# KiCad board Marble_Tiny.kicad_pcb (continued)
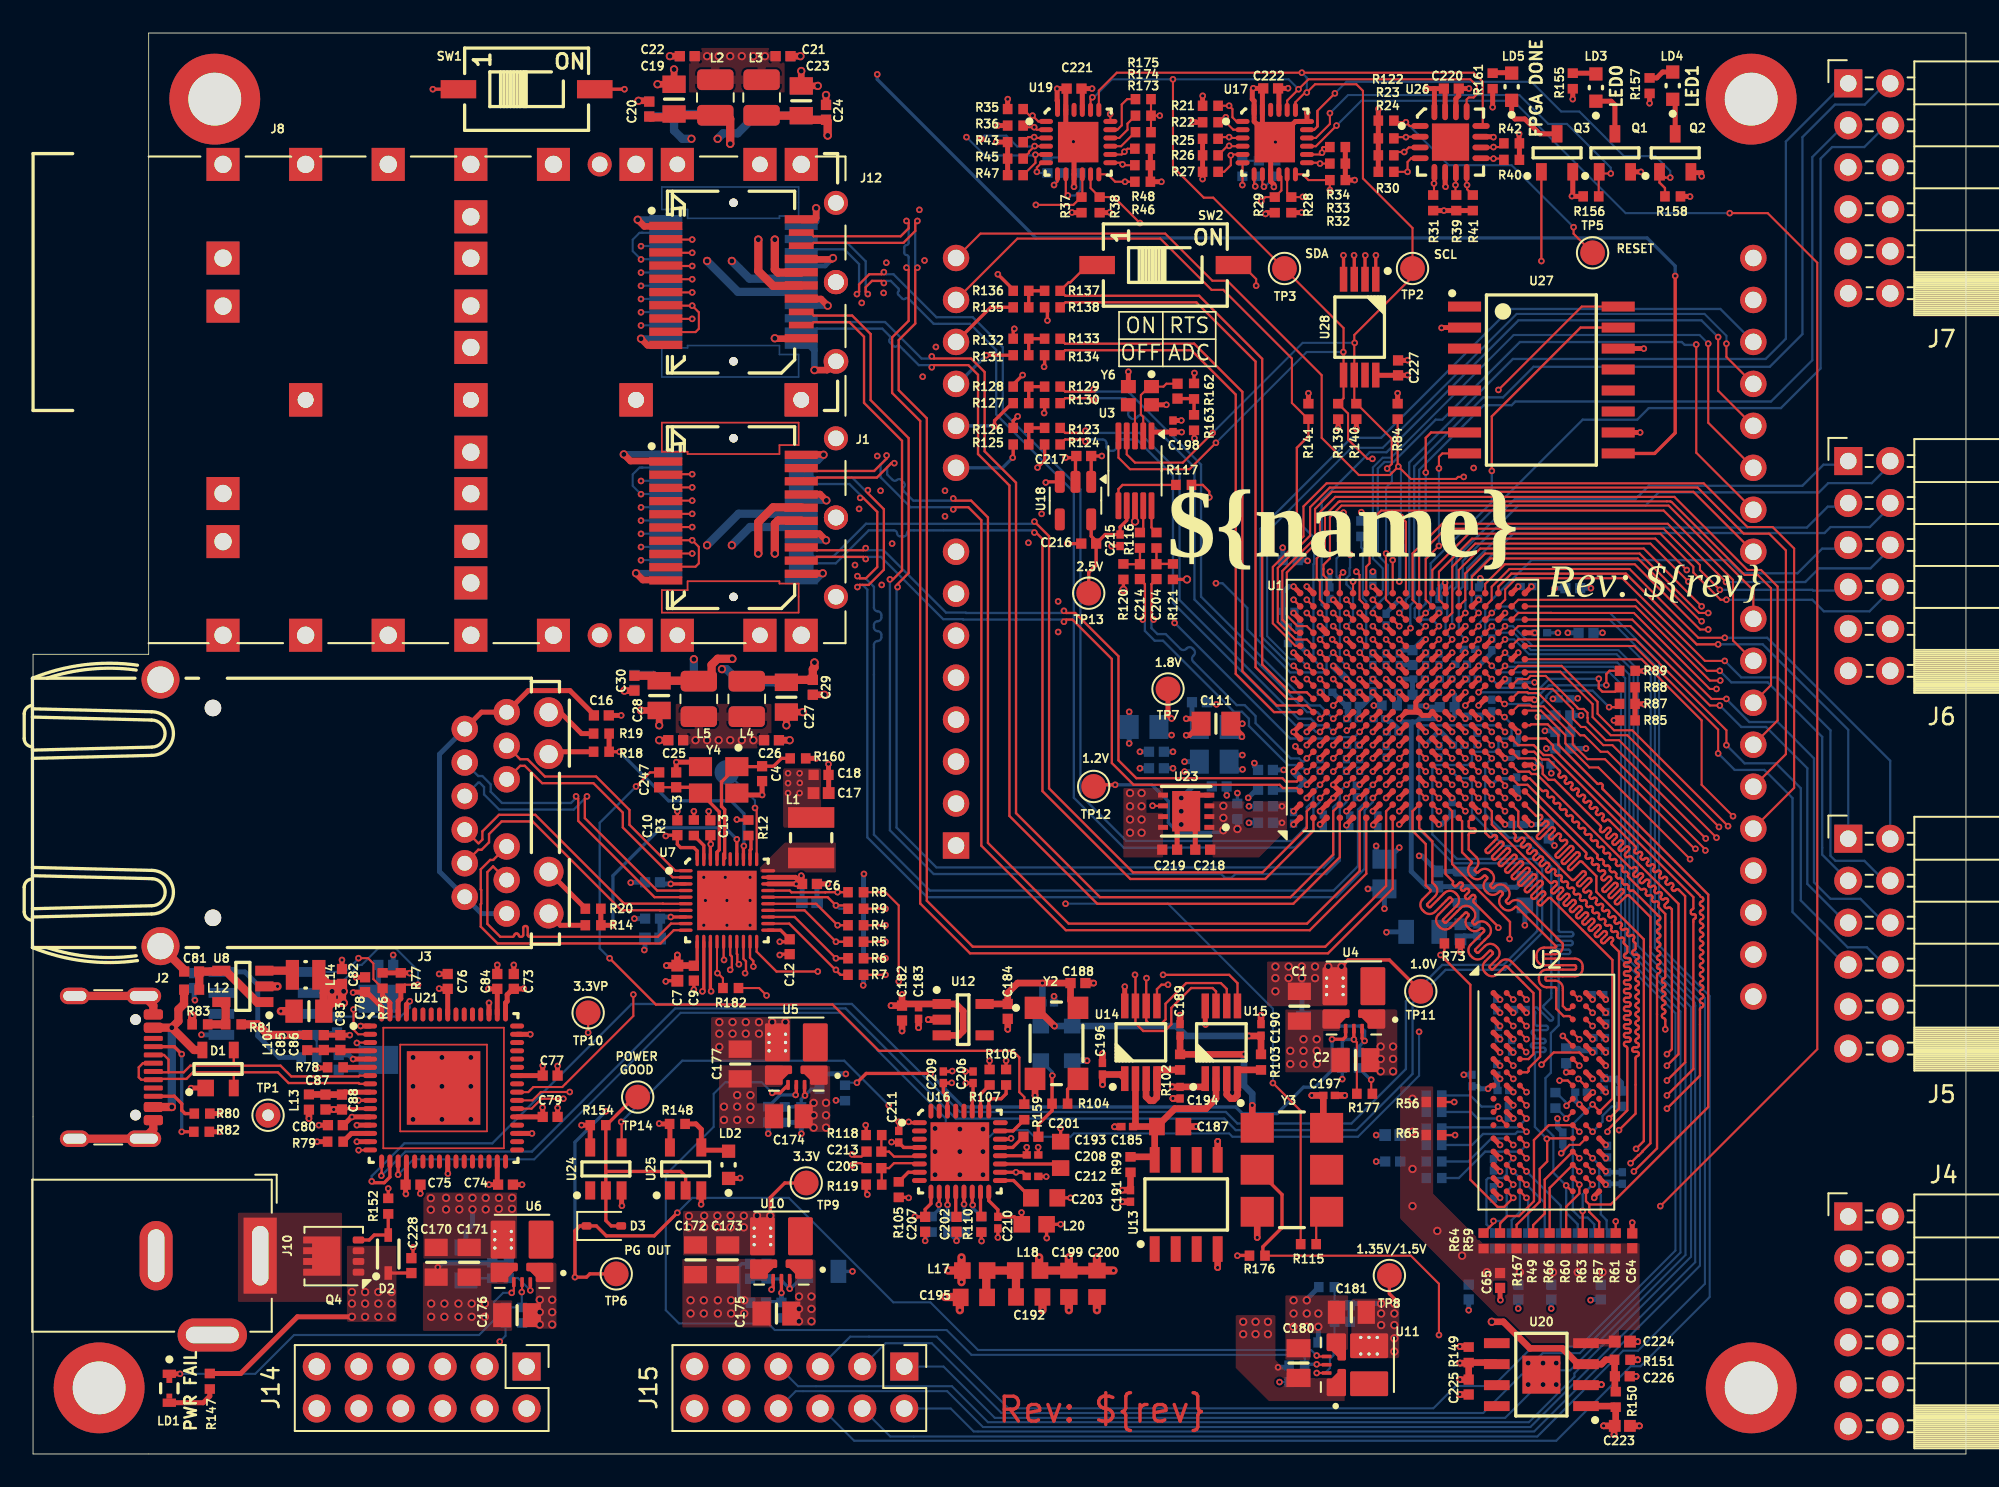
[diagram p0: board, top side]
## Library data of the parts (continued)
U14 = -: Part Number: DAC8550IDGKT; Library Ref: DAC8550; Library Path: SchLib\Analog & Interface.SchLib; Comment: =Device; Component Kind: Standard; Component Type: Standard; PackageDescription: SOP, 0.65mm, Pitch; 8 Pin, 3.0mm W X 3.0mm L X 1.10mm H Body, IPC Medium Density; Part Description: 2.7V to 5.5V, 250uA, Rail-to-Rail Output 16-Bit nanoDAC; Manufacturer: ANALOG DEVICES; Manufacturer Part Number: DAC8550IDGKT; Pin Count: 8; Case: MSOP8; Mounted: Yes; Socket: No; SMD: Yes; PressFit: No; Sense: No; ComponentHeight: 1.1mm; Footprint Path: PcbLib\ICs And Semiconductors SMD.PcbLib; Footprint Ref: SOP65P490X110-8N; CreateDate: 01/10/11 00:00:00; LatestRevisionDate: 01/10/11 00:00:00; Library Name: ICs And Semiconductors SMD; License: This work is licensed under the Creative Commons CC-BY-SA 4.0 License. To the extent that circuit schematics that use Licensed Material can be considered to be ‘Adapted Material’, then the copyright holder waives article 3.b of the license with respect to these schematics.
U15 = -: Part Number: DAC8550IDGKT; Library Ref: DAC8550; Library Path: SchLib\Analog & Interface.SchLib; Comment: =Device; Component Kind: Standard; Component Type: Standard; Device: DAC8550IDGKT; PackageDescription: SOP, 0.65mm, Pitch; 8 Pin, 3.0mm W X 3.0mm L X 1.10mm H Body, IPC Medium Density; Part Description: 2.7V to 5.5V, 250uA, Rail-to-Rail Output 16-Bit nanoDAC; Manufacturer: ANALOG DEVICES; Manufacturer Part Number: DAC8550IDGKT; Pin Count: 8; Case: MSOP8; Mounted: Yes; Socket: No; SMD: Yes; PressFit: No; Sense: No; ComponentHeight: 1.1mm; Footprint Path: PcbLib\ICs And Semiconductors SMD.PcbLib; Footprint Ref: SOP65P490X110-8N; CreateDate: 01/10/11 00:00:00; LatestRevisionDate: 01/10/11 00:00:00; Library Name: ICs And Semiconductors SMD; License: This work is licensed under the Creative Commons CC-BY-SA 4.0 License. To the extent that circuit schematics that use Licensed Material can be considered to be ‘Adapted Material’, then the copyright holder waives article 3.b of the license with respect to these schematics.
U16 = -: Library Path: SchLib\Logic.SchLib; Comment: =Device; Component Kind: Standard; Component Type: Standard; PackageDescription: QFN, (MO-220-VHHD-4) 0.50mm pitch,square; 8 pin X 8 pin, 5mm X 5mm X 1.00mm H body (w/thermal tab 3.5 X 3.5mm),  IPC Medium Density; Part Description: Four Output, Integrated VCO, Low-Jitter Clock Generator; Manufacturer: TEXAS INSTRUMENTS; Manufacturer Part Number: CDCM61004RHBT; Pin Count: 33; Case: QFN32; Mounted: Yes; Socket: No; SMD: Yes; PressFit: No; Sense: No; ComponentHeight: 1mm; Footprint Path: PcbLib\ICs And Semiconductors SMD.PcbLib; Footprint Ref: QFN50P500X500X100-33N-S355; CreateDate: 08/25/10 00:00:00; LatestRevisionDate: 11/21/11 00:00:00; Library Name: ICs And Semiconductors SMD; License: This work is licensed under the Creative Commons CC-BY-SA 4.0 License. To the extent that circuit schematics that use Licensed Material can be considered to be ‘Adapted Material’, then the copyright holder waives article 3.b of the license with respect to these schematics.
U17 U19 = -: Description: Remote 16-Bit I2C and SMBus, Low-Power I/O Expander with Interrupt Output and Config Register, 1.65 to 5.5 V, -40 to 85 degC, 24-pin QFN (RTW), Green (RoHS & no Sb/Br); MANUFACTURER: Texas Instruments; # OF I/OS: 16; 5V TOLERANT I/O: Yes; CODE_JEDEC: MO-220; INTERRUPT OUTPUT: Yes; PACKAGEVERSION: Jul-04; VCC RANGE(V): 1.65 to 5.5; CONFIGURATION REGISTERS: Yes; DATASHEETVERSION: SCPS201A; PUSH-PULL I/O TYPE: Yes; PACKAGEDESCRIPTION: 24-Lead Plastic Quad FlatPack, No-Lead, 4x4x0.8mm Body [WQFN]; SUBFAMILY: I2C IO Expander; I2C ADDRESS: 0100 xxx; MAX FREQUENCY(KHZ): 400; COMPONENTLINK1DESCRIPTION: Datasheet; MOUNTING TECHNOLOGY: Surface Mount; PACKAGEREFERENCE: RTW0024B; LOW POWER: Yes; ECO-PLAN: Green (RoHS & no Sb/Br); COMPONENTLINK1URL: http://www.ti.com/general/docs/lit/getliterature.tsp?genericPartNumber=TCA9535&fileType=pdf; ki_fp_filters: *RTW0024B_V*
U18 = -: Description: 300-mA high-PSRR low-IQ low-dropout regulator with enable 5-SOT-23 -40 to 85; NUMBER OF PINS: 5; COMPONENTLINK2URL: https://www.ti.com/lit/ds/symlink/tlv773.pdf; HELPURL: https://www.ti.com/lit/ds/symlink/tlv773.pdf; MANUFACTURER LIFECYCLE STATUS: ACTIVE; COMPONENTLINK1DESCRIPTION: Manufacturer's Website; COMPONENTLINK1URL: http://ti.com; WIDTH: 1.6mm; ROHS: Compliant; LENGTH: 2.9mm; THICKNESS: 1.2mm; LIFECYCLE STATUS: Production; HEIGHT: 1.45mm; CASE/PACKAGE: SOT-23; COMPONENTLINK2DESCRIPTION: Datasheet URL; ki_fp_filters: *DBV0005A_MFG*
U20 = -: Description: series Converter, DDR Voltage Regulator IC 1 Output 8-SO-EP; SNAPEDA_LINK: https://www.snapeda.com/parts/AP2303MPTR-G1/Diodes+Inc./view-part/?ref=snap; PACKAGE: SOIC-8 Diodes Inc.; MF: Diodes Inc.; ki_fp_filters: *SOIC127P600X155-9N*
U21 = -: Datasheet: \\cern.ch\dfs\Applications\Altium\Datasheets\FT2232HQ.pdf; Description: Dual High Speed USB To Multipurpose UART/FIFO IC; Library Path: SchLib\Analog & Interface.SchLib; Component Kind: Standard; Component Type: Standard; PackageDescription: QFN, 0.50mm Pitch, Square; 64 Pin, 9.00mm L X 9.00mm W X 1.00mm H body (w/Thermal Tab 4.45 X 4.45mm), IPC Medium Density; Part Description: Dual High Speed USB To Multipurpose UART/FIFO IC; Manufacturer: FUTURE TECHNOLOGY DEVICES INTERNATIONAL (FTDI); Pin Count: 64; Case: QFN64; Mounted: Yes; Socket: No; SMD: Yes; PressFit: No; Sense: No; Bonding: No; ComponentHeight: 1mm; Footprint Path: PcbLib\ICs And Semiconductors SMD.PcbLib; Footprint Ref: QFN50P900X900X100-65N-S445; Author: CERN DEM JLC; HelpURL: \\cern.ch\dfs\Applications\Altium\Datasheets\FT2232HQ.pdf; CreateDate: 11/12/14 00:00:00; LatestRevisionDate: 11/12/14 00:00:00; Database Table Name: ICs And Semiconductors; Library Name: Analog & Interface; Footprint Library: ICs And Semiconductors SMD; License: CC-BY-SA 4.0
U22 = -: Datasheet: \\cern.ch\dfs\Applications\Altium\Datasheets\93C46B-ISN.pdf; Description: 1Kbit, 5V, MICROWIRE® Serial EEPROM with 16-Bit Organization; Library Ref: 93C46B-SN; Library Path: SchLib\Logic.SchLib; Comment: 93C46B-I/SN; Component Kind: Standard; Component Type: Standard; Device: 93C46B-I/SN; PackageDescription: SOIC, 1.27mm Pitch; 8 Pin - Body 4x5mm, IPC Medium Density; Part Description: 1Kbit, 5V, MICROWIRE® Serial EEPROM with 16-Bit Organization; Manufacturer: MICROCHIP TECHNOLOGY; Manufacturer Part Number: 93C46B-I/SN; Pin Count: 8; Case: SOIC8; Mounted: Yes; Socket: No; SMD: Yes; PressFit: No; Sense: No; Bonding: No; ComponentHeight: 1.75mm; Footprint Path: PcbLib\ICs And Semiconductors SMD.PcbLib; Footprint Ref: SOIC127P600X175-8N; HelpURL: \\cern.ch\dfs\Applications\Altium\Datasheets\93C46B-ISN.pdf; Author: CERN DEM BC; CreateDate: 02/14/20 00:00:00; LatestRevisionDate: 02/14/20 00:00:00; Database Table Name: ICs And Semiconductors; Library Name: Logic; Footprint Library: ICs And Semiconductors SMD; License: CC-BY-SA 4.0
U23 = -: Description: 1.6V to 5.5V input voltage; Output voltage from 0.6V; Controlled output voltage slew rate; PSRR: 85 dB at 1 kHz; Low dropout 120mV ar 3.3V / 1A; Ultra-Low Noise: 10VRMS; WDFNW6 2 x 2mm and DFNW8 3 x 3mm; MANUFACTURER_NAME: onsemi; MOUSER PART NUMBER: *; MOUSER PRICE/STOCK: *; ARROW PART NUMBER: *; ARROW PRICE/STOCK: *; DATASHEET LINK: https://www.onsemi.com/pub/Collateral/NCV59801-D.PDF; GEOMETRY.HEIGHT: 1mm; ki_fp_filters: *SON65P300X300X100-9N-D*
U24 U25 = -: Datasheet: \\cern.ch\dfs\Applications\Altium\Datasheets\SN74LVC1G07DBV.pdf; Description: Single Buffer/Driver with Open-Drain Output; Library Ref: 741G07; Library Path: SchLib\Standard Logic.SchLib; Component Kind: Standard; Component Type: Standard; PackageDescription: SOT, 0.95mm Pitch; 5 Pin, 1.60mm W X 2.90mm L X 1.45mm H body, IPC Medium Density; Part Description: Single Buffer/Driver with Open-Drain Output; Manufacturer: TEXAS INSTRUMENTS; Pin Count: 5; Case: SOT23-5; Mounted: Yes; Socket: No; SMD: Yes; PressFit: No; Sense: No; Bonding: No; ComponentHeight: 1.45mm; Footprint Path: PcbLib\ICs And Semiconductors SMD.PcbLib; Footprint Ref: SOT95P280X145-5N; Author: CERN DEM BC; HelpURL: \\cern.ch\dfs\Applications\Altium\Datasheets\SN74LVC1G07DBV.pdf; CreateDate: 02/19/20 00:00:00; LatestRevisionDate: 02/19/20 00:00:00; Database Table Name: ICs And Semiconductors; Library Name: Standard Logic; Footprint Library: ICs And Semiconductors SMD; License: CC-BY-SA 4.0
U26 = -: Datasheet: \\cern.ch\dfs\Applications\Altium\Datasheets\PCA9546A.pdf; Description: Low Voltage 4-Channel I2C and SMBus Switch with Reset Function; Library Path: SchLib\Analog & Interface.SchLib; Component Kind: Standard; Component Type: Standard; PackageDescription: QFN, 0.65mm Pitch, Square; 16 Pin, 4.00mm L X 4.00mm W X 1.00mm H body (w/Thermal Tab 2.25 X 2.25mm), IPC Medium Density; Part Description: Low Voltage 4-Channel I2C and SMBus Switch with Reset Function; Manufacturer: TEXAS INSTRUMENTS; Pin Count: 17; Case: QFN16; Mounted: Yes; Socket: No; SMD: Yes; PressFit: No; Sense: No; Bonding: No; ComponentHeight: 1mm; Footprint Path: PcbLib\ICs And Semiconductors SMD.PcbLib; Footprint Ref: QFN65P400X400X100-17N-S225; Author: CERN DEM HF; HelpURL: \\cern.ch\dfs\Applications\Altium\Datasheets\PCA9546A.pdf; CreateDate: 04/12/23 00:00:00; LatestRevisionDate: 04/12/23 00:00:00; Database Table Name: ICs And Semiconductors; Library Name: Analog & Interface; Footprint Library: ICs And Semiconductors SMD; License: CC-BY-SA 4.0
U27 = -: Datasheet: \\cern.ch\dfs\Applications\Altium\Datasheets\S25FL128SAGMFI001.pdf; Description: 128Mbit, 133MHz, MirrorBit® Flash Non-Volatile Memory CMOS 3V Core with Versatile I/O Serial Peripheral Interface with Multi-I/O; Library Path: SchLib\Logic.SchLib; Component Kind: Standard; Component Type: Standard; PackageDescription: SOIC, 1.27mm Pitch; 16 Pin, 7.50mm W X 10.3mm L X 2.65mm H body, IPC Medium Density; Part Description: 128Mbit, 133MHz, MirrorBit® Flash Non-Volatile Memory CMOS 3V Core with Versatile I/O Serial Peripheral Interface with Multi-I/O; Manufacturer: CYPRESS; Pin Count: 11; Case: SOIC16; Mounted: Yes; Socket: No; SMD: Yes; PressFit: No; Sense: No; Bonding: No; ComponentHeight: 2.65mm; Footprint Path: PcbLib\ICs And Semiconductors SMD.PcbLib; Footprint Ref: SOIC127P1030X265-16N; HelpURL: \\cern.ch\dfs\Applications\Altium\Datasheets\S25FL128SAGMFI001.pdf; Author: CERN DEM JLC; CreateDate: 07/11/18 00:00:00; LatestRevisionDate: 07/11/18 00:00:00; Database Table Name: ICs And Semiconductors; Library Name: Logic; Footprint Library: ICs And Semiconductors SMD; License: CC-BY-SA 4.0
U28 = -: Description: 256K EEPROM Serial-I2C 32Kx8 1.8V TSSOP8 Microchip 24AA256UID-I/ST Serial EEPROM Memory, 256kbit, 1000ns, 1.7  5.5 V 8-Pin TSSOP; MANUFACTURER_NAME: Microchip; MANUFACTURER_PART_NUMBER: 24AA256UID-I/ST; MOUSER PART NUMBER: 579-24AA256UID-I/ST; MOUSER PRICE/STOCK: https://www.mouser.co.uk/ProductDetail/Microchip-Technology/24AA256UID-I-ST?qs=3i1%252BhB2xfwk5xhZT%2F6JvcA%3D%3D; ARROW PART NUMBER: 24AA256UID-I/ST; ARROW PRICE/STOCK: https://www.arrow.com/en/products/24aa256uid-ist/microchip-technology; DATASHEET LINK: https://datasheet.datasheetarchive.com/originals/distributors/Datasheets-DGA23/1503406.pdf; GEOMETRY.HEIGHT: 1.2mm; ki_fp_filters: *SOP65P640X120-8N*
Y1 = -: ~: 25MHz; Part Number: OSC_25MHZ_RAKON_IVT3205CR or TXEAADSANF-25.000000; Library Ref: Oscillator 1VCO 3GND 4OUT 6VCC; Library Path: SchLib\Crystals & Oscillators.SchLib; Comment: =Value; Component Kind: Standard; Component Type: Standard; PackageDescription: Oscillator IVT3200C Serie, corner concave; 4 pin, 2.50mm L X 3.2mm W X 1.1mm H; Val: 25MHz; Part Description: 11pF 3.3V ±1ppm Surface Mount TCXO Voltage Controlled Oscillator (IT3200C Series); Manufacturer: TAITIEN; Manufacturer Part Number: TXEAADSANF-25.000000; Pin Count: 4; Mounted: Yes; Socket: No; SMD: Yes; PressFit: No; Sense: No; ComponentHeight: 1.1mm; Footprint Path: PcbLib\ICs And Semiconductors SMD.PcbLib; Footprint Ref: OSC_RAKON_IVT3200C; CreateDate: 02/08/10 00:00:00; LatestRevisionDate: 02/08/10 00:00:00; Library Name: ICs And Semiconductors SMD; License: This work is licensed under the Creative Commons CC-BY-SA 4.0 License. To the extent that circuit schematics that use Licensed Material can be considered to be ‘Adapted Material’, then the copyright holder waives article 3.b of the license with respect to these schematics.
Y2 = -: config: dnf
Y3 = -: ~: 20MHz; Part Number: OSC_20MHZ_IQD_LFVCXO026156 or KV7050B20.0000C3GD00; Library Ref: Oscillator IQD_CFPV-45; Library Path: SchLib\Crystals & Oscillators.SchLib; Comment: =Value; Component Kind: Standard; Component Type: Standard; PackageDescription: Oscillator, Side Concave, 2.54mm Pitch, 6 Pins, 5.00mm L X 7.00mm W X 1.70mm H, CFPV-45 Series; Val: 20MHz; Part Description: 3.3V, ±100ppm, 15pF, 0..70°C, HCMOS Tri-State Surface Mount, VCXO Voltage Controlled Oscillator (CFPV-45 Series); Manufacturer: IQD FREQUENCY PRODUCTS; Manufacturer Part Number: ECS-VXO-73-20.00-TR; Pin Count: 6; Mounted: Yes; Socket: No; SMD: Yes; PressFit: No; Sense: No; ComponentHeight: 1.7mm; Footprint Path: PcbLib\ICs And Semiconductors SMD.PcbLib; Footprint Ref: OSC_IQD_CFPV-45; CreateDate: 01/24/11 00:00:00; LatestRevisionDate: 11/03/16 00:00:00; Library Name: ICs And Semiconductors SMD; License: This work is licensed under the Creative Commons CC-BY-SA 4.0 License. To the extent that circuit schematics that use Licensed Material can be considered to be ‘Adapted Material’, then the copyright holder waives article 3.b of the license with respect to these schematics.
Y4 = -: Datasheet: \\cern.ch\dfs\Applications\Altium\Datasheets\XTAL_EPSON_TSX-3225.pdf; Description: Tolerance: ±10ppm,  Stability:±10ppm, -20°C to 75°C, 9pF, Surface Mount Quartz Crystal, TX-3225 Series; Val: 25MHz; Library Ref: Quartz Crystal 1X 2GND 3X 4GND; Library Path: SchLib\Crystals & Oscillators.SchLib; Comment: 25MHz; Component Kind: Standard; Component Type: Standard; PackageDescription: Crystal, Corner Concave; 4 Pin, 2.50mm L X 3.20mm W X 0.6mm H, TSX-3225 Serie; Part Description: Tolerance: ±10ppm,  Stability:±10ppm, -20°C to 75°C, 9pF, Surface Mount Quartz Crystal, TX-3225 Series; Manufacturer: EPSON; Manufacturer Part Number: TSX-3225 25.0000MF10Z-AC; Pin Count: 4; Mounted: Yes; Socket: No; SMD: Yes; PressFit: No; Sense: No; Bonding: No; ComponentHeight: 0.6mm; Footprint Path: PcbLib\ICs And Semiconductors SMD.PcbLib; Footprint Ref: XTAL_EPSON_TSX-3225; HelpURL: \\cern.ch\dfs\Applications\Altium\Datasheets\XTAL_EPSON_TSX-3225.pdf; ComponentLink1URL: \\cern.ch\dfs\Applications\Altium\Datasheets\XTAL_EPSON_TSX-3225_Ordering-Informations.pdf; ComponentLink1Description: Ordering Informations; Author: CERN DEM JLC; CreateDate: 04/03/12 00:00:00; LatestRevisionDate: 10/06/16 00:00:00; Database Table Name: ICs And Semiconductors; Library Name: Crystals & Oscillators; Footprint Library: ICs And Semiconductors SMD; License: CC-BY-SA 4.0
Y5 = -: Datasheet: \\cern.ch\dfs\Applications\Altium\Datasheets\XTAL_TXC_7A.pdf; Description: Tolerance: ±30ppm, Stability: ±30ppm, -20°C to +70°C, 18pF, SMD Glass Seam Sealing Crystal, 7A Series; Val: 12MHz; Library Ref: Quartz Crystal; Library Path: SchLib\Crystals & Oscillators.SchLib; Comment: 12MHz; Component Kind: Standard; Component Type: Standard; PackageDescription: 2 Pins, 3.2x5mm, SMD Glass Seam Sealing Crystal, 7A Serie; Part Description: Tolerance: ±30ppm, Stability: ±30ppm, -20°C to +70°C, 18pF, SMD Glass Seam Sealing Crystal, 7A Series; Manufacturer: TXC CORPORATION; Manufacturer Part Number: 7A-12.000MAAJ-T; Pin Count: 2; Mounted: Yes; Socket: No; SMD: Yes; PressFit: No; Sense: No; Bonding: No; ComponentHeight: 1.2mm; Footprint Path: PcbLib\ICs And Semiconductors SMD.PcbLib; Footprint Ref: XTAL_TXC_7A; HelpURL: \\cern.ch\dfs\Applications\Altium\Datasheets\XTAL_TXC_7A.pdf; Author: CERN DEM JLC; CreateDate: 11/12/14 00:00:00; LatestRevisionDate: 11/12/14 00:00:00; Database Table Name: ICs And Semiconductors; Library Name: Crystals & Oscillators; Footprint Library: ICs And Semiconductors SMD; License: CC-BY-SA 4.0
Y6 = -: Datasheet: \\cern.ch\dfs\Applications\Altium\Datasheets\XTAL_TXC_8Y.pdf; Description: ±30ppm, 18pF, -20°C to +70°C  4 Pins, 2x1.6X0.5mm, SMD Seam Sealing Crystal, 8Y Serie; Val: 25MHz; Library Ref: Quartz Crystal 1X 2GND 3X 4GND; Library Path: SchLib\Crystals & Oscillators.SchLib; Comment: 25MHz; Component Kind: Standard; Component Type: Standard; PackageDescription: 4 Pins, 2x1.6X0.5mm, SMD Seam Sealing Crystal, 8Y Serie; Part Description: ±30ppm, 18pF, -20°C to +70°C  4 Pins, 2x1.6X0.5mm, SMD Seam Sealing Crystal, 8Y Serie; Manufacturer: TXC CORPORATION; Manufacturer Part Number: 8Y-25.000MAAJ-T; Pin Count: 4; Mounted: Yes; Socket: No; SMD: Yes; PressFit: No; Sense: No; Bonding: No; ComponentHeight: 13.6mm; Footprint Path: PcbLib\ICs And Semiconductors SMD.PcbLib; Footprint Ref: XTAL_TXC_8Y; HelpURL: \\cern.ch\dfs\Applications\Altium\Datasheets\XTAL_TXC_8Y.pdf; Author: CERN DEM JLC; CreateDate: 03/08/12 00:00:00; LatestRevisionDate: 03/08/12 00:00:00; Database Table Name: ICs And Semiconductors; Library Name: Crystals & Oscillators; Footprint Library: ICs And Semiconductors SMD; License: CC-BY-SA 4.0

## Footprints (pads in the part's own frame, mm; a bottom-side part is the same pattern mirrored in y, then rotated)
Arduino_UNO_R3
  rect 1.6x1.6 hole 1: 1(0,0)
  oval 1.6x1.6 hole 1: 2(2.54,0) 3(5.08,0) 4(7.62,0) 5(10.16,0) 6(12.7,0) 7(15.24,0) 8(17.78,0) 9(22.86,0) 10(25.4,0) 11(27.94,0) 12(30.48,0) 13(33.02,0) 14(35.56,0) 15(35.56,-48.26) 16(33.02,-48.26) 17(30.48,-48.26) 18(27.94,-48.26) 19(25.4,-48.26) 20(22.86,-48.26) 21(20.32,-48.26) 22(17.78,-48.26) 23(13.72,-48.26) 24(11.18,-48.26) 25(8.64,-48.26) 26(6.1,-48.26) 27(3.56,-48.26) 28(1.02,-48.26) 29(-1.52,-48.26) 30(-4.06,-48.26) 31(-6.6,-48.26) 32(-9.14,-48.26)
BarrelJack_GCT_DCJ200-10-A_Horizontal
  rect 4.6x2 hole 3.6x1: 1(0,0)
  oval 4.2x2 hole 3.2x1: 2(0,-6.3)
  oval 2x4.2 hole 1x3.2: 3(4.8,-2.9)
BEL_0826-1G1T-43-F
  round 1 hole 3.2 unplated: (-6.35,16.51) (6.35,16.51)
  round 1.6 hole 0.9: 1(-5.08,1.27) 2(-3.048,1.27) 3(-1.016,1.27) 4(1.016,1.27) 5(3.048,1.27) 6(5.08,1.27) 7(-6.096,-1.27) 8(-4.064,-1.27) 9(-2.032,-1.27) 10(2.032,-1.27) 11(4.064,-1.27) 12(6.096,-1.27)
  round 1.8 hole 1.1: 13(-6.096,-3.81) 14(-3.556,-3.81) 15(3.556,-3.81) 16(6.096,-3.81)
  round 2.3 hole 1.6: 17(-8.065,19.685) 18(8.065,19.685)
CAPC0603X33N
  rect 0.5x0.45 smd: 1(-0.35,0) 2(0.35,0)
CAPC1005X55N
  rect 0.62x0.62 smd: 1(-0.45,0) 2(0.45,0)
CAPC1005X70N
  rect 0.71x0.72 smd: 1(-0.46,0) 2(0.46,0)
CAPC1709X100N
  rect 0.95x1.05 smd: 1(-0.8,0) 2(0.8,0)
CAPC2012X95N
  rect 1.1x1.45 smd: 1(-0.9,0) 2(0.9,0)
CAPC2012X135N
  rect 1.05x1.4 smd: 1(-0.9,0) 2(0.9,0)
CAPC2012X145N
  rect 1.15x1.45 smd: 1(-0.9,0) 2(0.9,0)
D_SOD-323
  rrect 0.6x0.45 smd: 1(-1.05,0) 2(1.05,0)
Diodes_PowerDI3333-8
  rrect 0.6x1 smd: (0.02,0.565) (0.02,-0.565) (0.73,0.565) (0.73,-0.565)
  rrect 0.7x0.42 smd: (1.5,0.975) (1.5,0.325) (1.5,-0.325) (1.5,-0.975) 1(-1.5,0.975) 2(-1.5,0.325) 3(-1.5,-0.325) 4(-1.5,-0.975)
  custom 2.25x2.37 smd: 5(0.455,0)
FBGA-96_8x14mm_Layout9x16_P0.8mm
  round 0.36 smd: A1(-3.2,6) A2(-2.4,6) A3(-1.6,6) A7(1.6,6) A8(2.4,6) A9(3.2,6) B1(-3.2,5.2) B2(-2.4,5.2) B3(-1.6,5.2) B7(1.6,5.2) B8(2.4,5.2) B9(3.2,5.2) C1(-3.2,4.4) C2(-2.4,4.4) C3(-1.6,4.4) C7(1.6,4.4) C8(2.4,4.4) C9(3.2,4.4) D1(-3.2,3.6) D2(-2.4,3.6) D3(-1.6,3.6) D7(1.6,3.6) D8(2.4,3.6) D9(3.2,3.6) E1(-3.2,2.8) E2(-2.4,2.8) E3(-1.6,2.8) E7(1.6,2.8) E8(2.4,2.8) E9(3.2,2.8) F1(-3.2,2) F2(-2.4,2) F3(-1.6,2) F7(1.6,2) F8(2.4,2) F9(3.2,2) G1(-3.2,1.2) G2(-2.4,1.2) G3(-1.6,1.2) G7(1.6,1.2) G8(2.4,1.2) G9(3.2,1.2) H1(-3.2,0.4) H2(-2.4,0.4) H3(-1.6,0.4) H7(1.6,0.4) H8(2.4,0.4) H9(3.2,0.4) J1(-3.2,-0.4) J2(-2.4,-0.4) J3(-1.6,-0.4) J7(1.6,-0.4) J8(2.4,-0.4) J9(3.2,-0.4) K1(-3.2,-1.2) K2(-2.4,-1.2) K3(-1.6,-1.2) K7(1.6,-1.2) K8(2.4,-1.2) K9(3.2,-1.2) L1(-3.2,-2) L2(-2.4,-2) L3(-1.6,-2) L7(1.6,-2) L8(2.4,-2) L9(3.2,-2) M1(-3.2,-2.8) M2(-2.4,-2.8) M3(-1.6,-2.8) M7(1.6,-2.8) M8(2.4,-2.8) M9(3.2,-2.8) N1(-3.2,-3.6) N2(-2.4,-3.6) N3(-1.6,-3.6) N7(1.6,-3.6) N8(2.4,-3.6) N9(3.2,-3.6) P1(-3.2,-4.4) P2(-2.4,-4.4) P3(-1.6,-4.4) P7(1.6,-4.4) P8(2.4,-4.4) P9(3.2,-4.4) R1(-3.2,-5.2) R2(-2.4,-5.2) R3(-1.6,-5.2) R7(1.6,-5.2) R8(2.4,-5.2) R9(3.2,-5.2) T1(-3.2,-6) T2(-2.4,-6) T3(-1.6,-6) T7(1.6,-6) T8(2.4,-6) T9(3.2,-6)
IND_BOURNS_SRP3212
  rect 1.25x2.8 smd: 1(-1.225,0) 2(1.225,0)
IND_WURTH_WE-PMCI_0806LR
  rect 0.8x1.8 smd: 1(-0.8,0) 2(0.8,0)
INDC1005X55N
  rect 0.6x0.62 smd: 1(-0.46,0) 2(0.46,0)
INDC1608X65N
  rect 1x1 smd: 1(-0.75,0) 2(0.75,0)
INDC1608X95N
  rect 0.95x1 smd: 1(-0.8,0) 2(0.8,0)
INDC2013X145N
  rect 0.95x1.45 smd: 1(-1,0) 2(1,0)
L_1008_2520Metric
  rrect 1.25x2.2 smd: 1(-1.075,0) 2(1.075,0)
LED_KINGBRIGHT_KPH-1608CGCK
  rect 0.8x0.8 smd: 1(-0.825,0) 2(0.825,0)
LED_OSRAM_LS Q976
  rect 0.5x0.8 smd: 1(-0.875,0) 2(0.875,0)
  rect 0.3x0.35 smd: 1(-0.475,0) 2(0.475,0)
MSOP-10_3x3mm_P0.5mm
  rrect 1.625x0.35 smd: 1(-2.112,1) 2(-2.112,0.5) 3(-2.112,0) 4(-2.112,-0.5) 5(-2.112,-1) 6(2.112,-1) 7(2.112,-0.5) 8(2.112,0) 9(2.112,0.5) 10(2.112,1)
MTG320_550
  round 5.5 hole 3.2: 1(0,0)
OSC_ABRACON_ASEMPC
  rect 1x0.9 smd: 1(-0.95,1.05) 3(-0.95,-1.05) 4(0.95,-1.05) 6(0.95,1.05)
OSC_IQD_CFPV-45
  rect 2x1.8 smd: 1(-2.1,2.54) 2(-2.1,0) 3(-2.1,-2.54) 4(2.1,-2.54) 5(2.1,0) 6(2.1,2.54)
OSCCC320X500X160-4N
  rect 1.25x1.35 smd: 1(-1.3,2.15) 2(-1.3,-2.15) 3(1.3,-2.15) 4(1.3,2.15)
PinSocket_2x06_P2.54mm_Horizontal_PMOD
  rect 1.7x1.7 hole 1: 1(0,-12.7)
  round 1.7 hole 1: 2(0,-10.16) 3(0,-7.62) 4(0,-5.08) 5(0,-2.54) 6(0,0) 7(-2.54,-12.7) 8(-2.54,-10.16) 9(-2.54,-7.62) 10(-2.54,-5.08) 11(-2.54,-2.54) 12(-2.54,0)
PinSocket_2x06_P2.54mm_Vertical_PMOD
  rect 1.7x1.7 hole 1: 1(0,-12.7)
  round 1.7 hole 1: 2(0,-10.16) 3(0,-7.62) 4(0,-5.08) 5(0,-2.54) 6(0,0) 7(-2.54,-12.7) 8(-2.54,-10.16) 9(-2.54,-7.62) 10(-2.54,-5.08) 11(-2.54,-2.54) 12(-2.54,0)
QFN40P500X500X80-41N-S360
  rrect 0.85x0.2 smd: 1(-2.5,1.8) 2(-2.5,1.4) 3(-2.5,1) 4(-2.5,0.6) 5(-2.5,0.2) 6(-2.5,-0.2) 7(-2.5,-0.6) 8(-2.5,-1) 9(-2.5,-1.4) 10(-2.5,-1.8) 21(2.5,-1.8) 22(2.5,-1.4) 23(2.5,-1) 24(2.5,-0.6) 25(2.5,-0.2) 26(2.5,0.2) 27(2.5,0.6) 28(2.5,1) 29(2.5,1.4) 30(2.5,1.8)
  rrect 0.2x0.85 smd: 11(-1.8,-2.5) 12(-1.4,-2.5) 13(-1,-2.5) 14(-0.6,-2.5) 15(-0.2,-2.5) 16(0.2,-2.5) 17(0.6,-2.5) 18(1,-2.5) 19(1.4,-2.5) 20(1.8,-2.5) 31(1.8,2.5) 32(1.4,2.5) 33(1,2.5) 34(0.6,2.5) 35(0.2,2.5) 36(-0.2,2.5) 37(-0.6,2.5) 38(-1,2.5) 39(-1.4,2.5) 40(-1.8,2.5)
  rect 3.6x3.6 smd: 41(0,0)
QFN50P400X400X80-25N-S245
  rrect 0.85x0.3 smd: 1(-1.95,1.25) 2(-1.95,0.75) 3(-1.95,0.25) 4(-1.95,-0.25) 5(-1.95,-0.75) 6(-1.95,-1.25) 13(1.95,-1.25) 14(1.95,-0.75) 15(1.95,-0.25) 16(1.95,0.25) 17(1.95,0.75) 18(1.95,1.25)
  rrect 0.3x0.85 smd: 7(-1.25,-1.95) 8(-0.75,-1.95) 9(-0.25,-1.95) 10(0.25,-1.95) 11(0.75,-1.95) 12(1.25,-1.95) 19(1.25,1.95) 20(0.75,1.95) 21(0.25,1.95) 22(-0.25,1.95) 23(-0.75,1.95) 24(-1.25,1.95)
  rect 2.45x2.45 smd: 25(0,0)
QFN50P500X500X100-33N-S355
  rrect 0.9x0.3 smd: 1(-2.45,1.75) 2(-2.45,1.25) 3(-2.45,0.75) 4(-2.45,0.25) 5(-2.45,-0.25) 6(-2.45,-0.75) 7(-2.45,-1.25) 8(-2.45,-1.75) 17(2.45,-1.75) 18(2.45,-1.25) 19(2.45,-0.75) 20(2.45,-0.25) 21(2.45,0.25) 22(2.45,0.75) 23(2.45,1.25) 24(2.45,1.75)
  rrect 0.3x0.9 smd: 9(-1.75,-2.45) 10(-1.25,-2.45) 11(-0.75,-2.45) 12(-0.25,-2.45) 13(0.25,-2.45) 14(0.75,-2.45) 15(1.25,-2.45) 16(1.75,-2.45) 25(1.75,2.45) 26(1.25,2.45) 27(0.75,2.45) 28(0.25,2.45) 29(-0.25,2.45) 30(-0.75,2.45) 31(-1.25,2.45) 32(-1.75,2.45)
  rect 3.55x3.55 smd: 33(0,0)
QFN50P900X900X100-65N-S445
  rrect 0.85x0.3 smd: 1(-4.45,3.75) 2(-4.45,3.25) 3(-4.45,2.75) 4(-4.45,2.25) 5(-4.45,1.75) 6(-4.45,1.25) 7(-4.45,0.75) 8(-4.45,0.25) 9(-4.45,-0.25) 10(-4.45,-0.75) 11(-4.45,-1.25) 12(-4.45,-1.75) 13(-4.45,-2.25) 14(-4.45,-2.75) 15(-4.45,-3.25) 16(-4.45,-3.75) 33(4.45,-3.75) 34(4.45,-3.25) 35(4.45,-2.75) 36(4.45,-2.25) 37(4.45,-1.75) 38(4.45,-1.25) 39(4.45,-0.75) 40(4.45,-0.25) 41(4.45,0.25) 42(4.45,0.75) 43(4.45,1.25) 44(4.45,1.75) 45(4.45,2.25) 46(4.45,2.75) 47(4.45,3.25) 48(4.45,3.75)
  rrect 0.3x0.85 smd: 17(-3.75,-4.45) 18(-3.25,-4.45) 19(-2.75,-4.45) 20(-2.25,-4.45) 21(-1.75,-4.45) 22(-1.25,-4.45) 23(-0.75,-4.45) 24(-0.25,-4.45) 25(0.25,-4.45) 26(0.75,-4.45) 27(1.25,-4.45) 28(1.75,-4.45) 29(2.25,-4.45) 30(2.75,-4.45) 31(3.25,-4.45) 32(3.75,-4.45) 49(3.75,4.45) 50(3.25,4.45) 51(2.75,4.45) 52(2.25,4.45) 53(1.75,4.45) 54(1.25,4.45) 55(0.75,4.45) 56(0.25,4.45) 57(-0.25,4.45) 58(-0.75,4.45) 59(-1.25,4.45) 60(-1.75,4.45) 61(-2.25,4.45) 62(-2.75,4.45) 63(-3.25,4.45) 64(-3.75,4.45)
  rect 4.45x4.45 smd: 65(0,0)
QFN65P400X400X100-17N-S225
  rrect 1.05x0.35 smd: 1(-1.85,0.975) 2(-1.85,0.325) 3(-1.85,-0.325) 4(-1.85,-0.975) 9(1.85,-0.975) 10(1.85,-0.325) 11(1.85,0.325) 12(1.85,0.975)
  rrect 0.35x1.05 smd: 5(-0.975,-1.85) 6(-0.325,-1.85) 7(0.325,-1.85) 8(0.975,-1.85) 13(0.975,1.85) 14(0.325,1.85) 15(-0.325,1.85) 16(-0.975,1.85)
  rect 2.25x2.25 smd: 17(0,0)
RESC1005X40N